# KiCad board panel.kicad_pcb (continued)
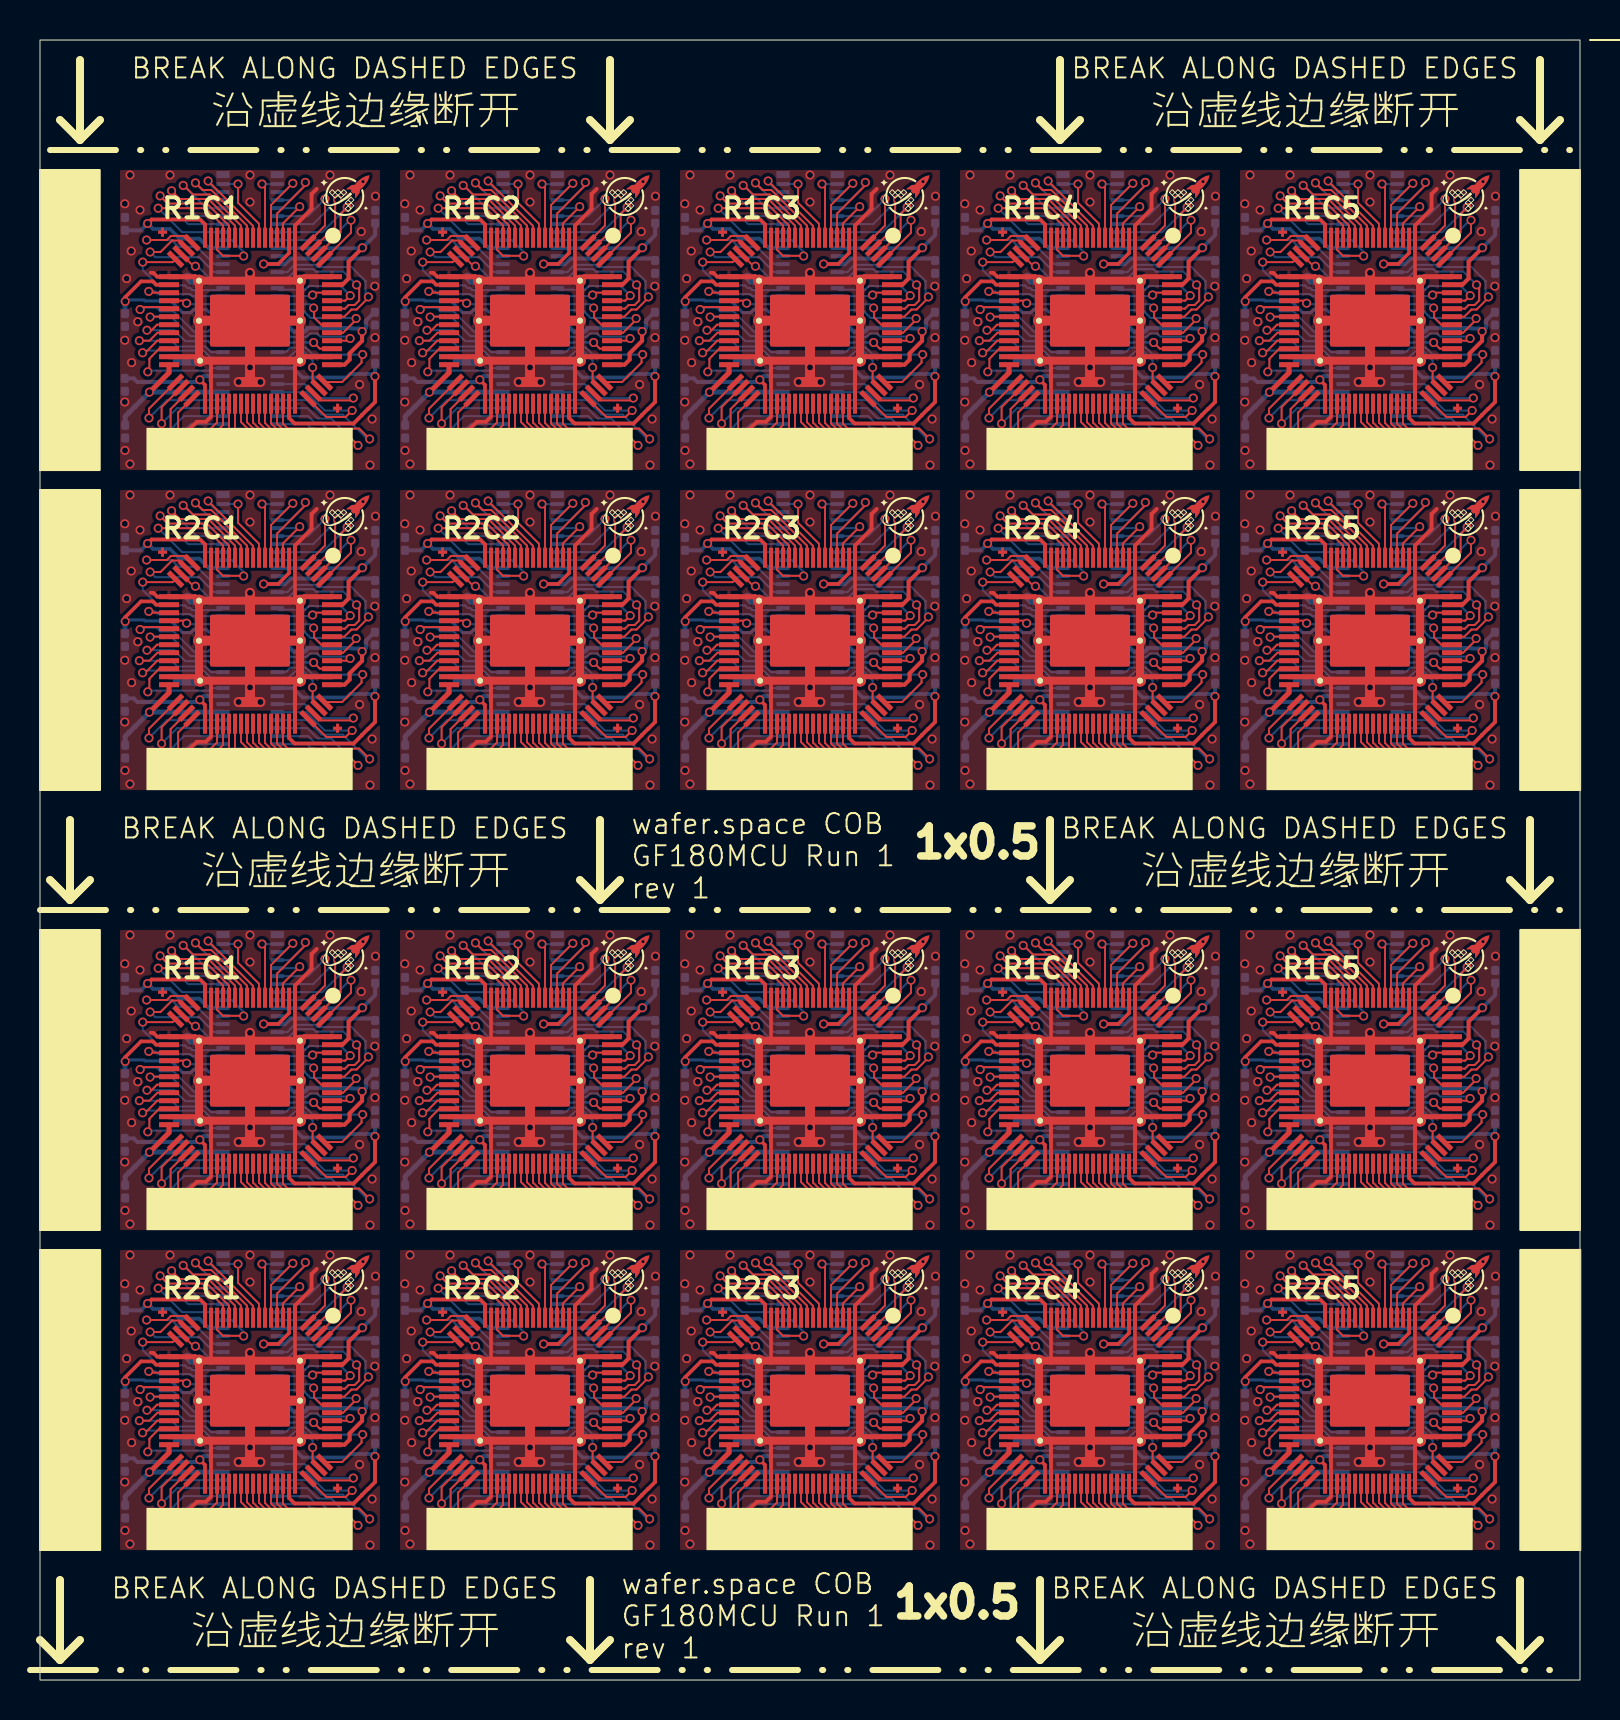
[diagram p0: board, top side]
## Routing (per net, layer and track width the routed paths; a pad name or vN(x,y) marks a point on that pad's centre or on a via; arc(x,y) is an arc through that point) (continued)
/bidir_21: length 100.3
  Top w0.1: v1(47.5,68.15) 47.59,68.15 47.61,68.16 U108#2.30 ; v1(5.5,68.15) 5.59,68.15 5.61,68.16 U102#2.30 ; U120.30 61.61,14.17 61.59,14.15 v1(61.5,14.15) ; v1(19.5,52.15) 19.59,52.15 19.61,52.17 U114.30 ; U106#2.30 33.61,30.17 33.59,30.15 v1(33.5,30.15) ; v1(5.5,52.15) 5.59,52.15 5.61,52.17 U112.30 ; U102.30 5.61,30.17 5.59,30.15 v1(5.5,30.15) ; v1(61.5,52.15) 61.59,52.15 61.61,52.17 U120#2.30 ; v1(33.5,68.15) 33.59,68.15 33.61,68.16 U106.30 ; v1(61.5,30.15) 61.59,30.15 61.61,30.17 U110#2.30 ; U116#2.30 33.61,14.17 33.59,14.15 v1(33.5,14.15) ; v1(47.5,52.15) 47.59,52.15 47.61,52.17 U118.30 ; U116.30 33.61,52.17 33.59,52.15 v1(33.5,52.15) ; U114#2.30 19.61,14.17 19.59,14.15 v1(19.5,14.15) ; v1(47.5,30.15) 47.59,30.15 47.61,30.17 U108.30 ; v1(19.5,68.15) 19.59,68.15 19.61,68.16 U104.30 ; U110.30 61.61,68.16 61.59,68.15 v1(61.5,68.15) ; U112#2.30 5.61,14.17 5.59,14.15 v1(5.5,14.15) ; U104#2.30 19.61,30.17 19.59,30.15 v1(19.5,30.15) ; U118#2.30 47.61,14.17 47.59,14.15 v1(47.5,14.15)
  Bottom w0.1: v1(33.5,68.15) 33.53,68.17 34.55,68.17 35.52,67.19 U105#2.51 ; U109.51 63.52,67.19 62.55,68.17 61.53,68.17 v1(61.5,68.15) ; v1(61.5,52.15) 61.53,52.17 62.55,52.17 63.52,51.2 U119#2.51 ; v1(33.5,14.15) 33.53,14.17 34.55,14.17 35.52,13.2 U115#2.51 ; U113#2.51 21.52,13.2 20.55,14.17 19.53,14.17 v1(19.5,14.15) ; v1(19.5,30.15) 19.53,30.17 20.55,30.17 21.52,29.2 U103#2.51 ; v1(47.5,68.15) 47.53,68.17 48.55,68.17 49.52,67.19 U107#2.51 ; U111#2.51 7.52,13.2 6.55,14.17 5.53,14.17 v1(5.5,14.15) ; U107.51 49.52,29.2 48.55,30.17 47.53,30.17 v1(47.5,30.15) ; v1(33.5,52.15) 33.53,52.17 34.55,52.17 35.52,51.2 U115.51 ; U109#2.51 63.52,29.2 62.55,30.17 61.53,30.17 v1(61.5,30.15) ; U101#2.51 7.52,67.19 6.55,68.17 5.53,68.17 v1(5.5,68.15) ; v1(19.5,68.15) 19.53,68.17 20.55,68.17 21.52,67.19 U103.51 ; v1(61.5,14.15) 61.53,14.17 62.55,14.17 63.52,13.2 U119.51 ; U117.51 49.52,13.2 48.55,14.17 47.53,14.17 v1(47.5,14.15) ; v1(19.5,52.15) 19.53,52.17 20.55,52.17 21.52,51.2 U113.51 ; v1(33.5,30.15) 33.53,30.17 34.55,30.17 35.52,29.2 U105.51 ; U101.51 7.52,29.2 6.55,30.17 5.53,30.17 v1(5.5,30.15) ; v1(5.5,52.15) 5.53,52.17 6.55,52.17 7.52,51.2 U111.51 ; v1(47.5,52.15) 47.53,52.17 48.55,52.17 49.52,51.2 U117#2.51
/bidir_22: length 106.1
  Top w0.1: U116#2.31 33.85,13.77 33.57,13.49 v1(33.35,13.49) ; U114#2.31 19.85,13.77 19.57,13.49 v1(19.35,13.49) ; U112#2.31 5.85,13.77 5.57,13.49 v1(5.35,13.49) ; U116.31 33.85,51.77 33.57,51.49 v1(33.35,51.49) ; U106#2.31 33.85,29.77 33.57,29.49 v1(33.35,29.49) ; v1(47.35,51.49) 47.57,51.49 47.85,51.77 U118.31 ; U120.31 61.85,13.77 61.57,13.49 v1(61.35,13.49) ; U110.31 61.85,67.77 61.57,67.49 v1(61.35,67.49) ; U104#2.31 19.85,29.77 19.57,29.49 v1(19.35,29.49) ; U102.31 5.85,29.77 5.57,29.49 v1(5.35,29.49) ; U110#2.31 61.85,29.77 61.57,29.49 v1(61.35,29.49) ; U106.31 33.85,67.77 33.57,67.49 v1(33.35,67.49) ; v1(47.35,13.49) 47.57,13.49 47.85,13.77 U118#2.31 ; v1(61.35,51.49) 61.57,51.49 61.85,51.77 U120#2.31 ; U114.31 19.85,51.77 19.57,51.49 v1(19.35,51.49) ; v1(19.35,67.49) 19.57,67.49 19.85,67.77 U104.31 ; U112.31 5.85,51.77 5.57,51.49 v1(5.35,51.49) ; U108.31 47.85,29.77 47.57,29.49 v1(47.35,29.49) ; v1(47.35,67.49) 47.57,67.49 47.85,67.77 U108#2.31 ; v1(5.35,67.49) 5.57,67.49 5.85,67.77 U102#2.31
  Bottom w0.1: v1(5.35,51.49) 6.71,51.49 7.26,50.94 8.41,50.94 8.54,50.81 9.14,50.81 U111.50 ; U119#2.50 65.14,50.81 64.54,50.81 64.41,50.94 63.26,50.94 62.71,51.49 v1(61.35,51.49) ; U105#2.50 37.14,66.81 36.54,66.81 36.41,66.94 35.26,66.94 34.71,67.49 v1(33.35,67.49) ; v1(19.35,29.49) 20.71,29.49 21.26,28.94 22.41,28.94 22.54,28.81 23.14,28.81 U103#2.50 ; U109.50 65.14,66.81 64.54,66.81 64.41,66.94 63.26,66.94 62.71,67.49 v1(61.35,67.49) ; v1(19.35,51.49) 20.71,51.49 21.26,50.94 22.41,50.94 22.54,50.81 23.14,50.81 U113.50 ; U115#2.50 37.14,12.81 36.54,12.81 36.41,12.94 35.26,12.94 34.71,13.49 v1(33.35,13.49) ; v1(5.35,67.49) 6.71,67.49 7.26,66.94 8.41,66.94 8.54,66.81 9.14,66.81 U101#2.50 ; v1(19.35,67.49) 20.71,67.49 21.26,66.94 22.41,66.94 22.54,66.81 23.14,66.81 U103.50 ; v1(47.35,13.49) 48.71,13.49 49.26,12.94 50.41,12.94 50.54,12.81 51.14,12.81 U117.50 ; v1(47.35,29.49) 48.71,29.49 49.26,28.94 50.41,28.94 50.54,28.81 51.14,28.81 U107.50 ; v1(47.35,51.49) 48.71,51.49 49.26,50.94 50.41,50.94 50.54,50.81 51.14,50.81 U117#2.50 ; U119.50 65.14,12.81 64.54,12.81 64.41,12.94 63.26,12.94 62.71,13.49 v1(61.35,13.49) ; U107#2.50 51.14,66.81 50.54,66.81 50.41,66.94 49.26,66.94 48.71,67.49 v1(47.35,67.49) ; U109#2.50 65.14,28.81 64.54,28.81 64.41,28.94 63.26,28.94 62.71,29.49 v1(61.35,29.49) ; v1(33.35,29.49) 34.71,29.49 35.26,28.94 36.41,28.94 36.54,28.81 37.14,28.81 U105.50 ; v1(5.35,13.49) 6.71,13.49 7.26,12.94 8.41,12.94 8.54,12.81 9.14,12.81 U111#2.50 ; U101.50 9.14,28.81 8.54,28.81 8.41,28.94 7.26,28.94 6.71,29.49 v1(5.35,29.49) ; U115.50 37.14,50.81 36.54,50.81 36.41,50.94 35.26,50.94 34.71,51.49 v1(33.35,51.49) ; v1(19.35,13.49) 20.71,13.49 21.26,12.94 22.41,12.94 22.54,12.81 23.14,12.81 U113#2.50
/bidir_23: length 121.6
  Top w0.1: 34.45,51.36 33.87,51.36 33.47,50.96 v1(32.97,50.96) ; v1(32.97,66.96) 33.47,66.96 33.87,67.36 34.45,67.36 ; v1(60.97,12.96) 61.47,12.96 61.87,13.36 62.45,13.36 ; 34.45,13.36 33.87,13.36 33.47,12.96 v1(32.97,12.96) ; v1(46.97,66.96) 47.47,66.96 47.87,67.36 48.45,67.36 ; 48.45,51.36 47.87,51.36 47.47,50.96 v1(46.97,50.96) ; 6.45,13.36 5.87,13.36 5.47,12.96 v1(4.97,12.96) ; 20.45,67.36 19.87,67.36 19.47,66.96 v1(18.97,66.96) ; 6.45,67.36 5.87,67.36 5.47,66.96 v1(4.97,66.96) ; 20.45,29.36 19.87,29.36 19.47,28.96 v1(18.97,28.96) ; 34.45,29.36 33.87,29.36 33.47,28.96 v1(32.97,28.96) ; 6.45,51.36 5.87,51.36 5.47,50.96 v1(4.97,50.96) ; v1(60.97,28.96) 61.47,28.96 61.87,29.36 62.45,29.36 ; v1(46.97,12.96) 47.47,12.96 47.87,13.36 48.45,13.36 ; v1(18.97,12.96) 19.47,12.96 19.87,13.36 20.45,13.36 ; v1(60.97,50.96) 61.47,50.96 61.87,51.36 62.45,51.36 ; 20.45,51.36 19.87,51.36 19.47,50.96 v1(18.97,50.96) ; v1(60.97,66.96) 61.47,66.96 61.87,67.36 62.45,67.36 ; v1(46.97,28.96) 47.47,28.96 47.87,29.36 48.45,29.36 ; 6.45,29.36 5.87,29.36 5.47,28.96 v1(4.97,28.96)
  Bottom w0.1: 65.16,12.39 64.67,12.39 64.66,12.39 64.56,12.39 64.28,12.67 62.87,12.67 62.58,12.96 v1(60.97,12.96) ; v1(4.97,12.96) 6.58,12.96 6.87,12.67 8.28,12.67 8.56,12.39 8.66,12.39 8.67,12.39 9.15,12.39 ; v1(46.97,50.96) 48.58,50.96 48.87,50.67 50.28,50.67 50.56,50.39 50.66,50.39 50.67,50.39 51.15,50.39 ; 23.15,28.39 22.67,28.39 22.66,28.39 22.56,28.39 22.28,28.67 20.87,28.67 20.58,28.96 v1(18.97,28.96) ; 23.15,50.39 22.67,50.39 22.66,50.39 22.56,50.39 22.28,50.67 20.87,50.67 20.58,50.96 v1(18.97,50.96) ; v1(46.97,66.96) 48.58,66.96 48.87,66.67 50.28,66.67 50.56,66.39 50.66,66.39 50.67,66.4 U107#2.49 ; v1(32.97,66.96) 34.58,66.96 34.87,66.67 36.28,66.67 36.56,66.39 36.66,66.39 36.67,66.4 U105#2.49 ; 65.16,50.39 64.67,50.39 64.66,50.39 64.56,50.39 64.28,50.67 62.87,50.67 62.58,50.96 v1(60.97,50.96) ; v1(4.97,50.96) 6.58,50.96 6.87,50.67 8.28,50.67 8.56,50.39 8.66,50.39 8.67,50.39 9.15,50.39 ; v1(32.97,50.96) 34.58,50.96 34.87,50.67 36.28,50.67 36.56,50.39 36.66,50.39 36.67,50.39 37.15,50.39 ; U109.49 64.67,66.4 64.66,66.39 64.56,66.39 64.28,66.67 62.87,66.67 62.58,66.96 v1(60.97,66.96) ; v1(4.97,66.96) 6.58,66.96 6.87,66.67 8.28,66.67 8.56,66.39 8.66,66.39 8.67,66.4 U101#2.49 ; 9.15,28.39 8.67,28.39 8.66,28.39 8.56,28.39 8.28,28.67 6.87,28.67 6.58,28.96 v1(4.97,28.96) ; 51.15,28.39 50.67,28.39 50.66,28.39 50.56,28.39 50.28,28.67 48.87,28.67 48.58,28.96 v1(46.97,28.96) ; 37.15,12.39 36.67,12.39 36.66,12.39 36.56,12.39 36.28,12.67 34.87,12.67 34.58,12.96 v1(32.97,12.96) ; v1(18.97,66.96) 20.58,66.96 20.87,66.67 22.28,66.67 22.56,66.39 22.66,66.39 22.67,66.4 U103.49 ; v1(46.97,12.96) 48.58,12.96 48.87,12.67 50.28,12.67 50.56,12.39 50.66,12.39 50.67,12.39 51.15,12.39 ; v1(32.97,28.96) 34.58,28.96 34.87,28.67 36.28,28.67 36.56,28.39 36.66,28.39 36.67,28.39 37.15,28.39 ; 23.15,12.39 22.67,12.39 22.66,12.39 22.56,12.39 22.28,12.67 20.87,12.67 20.58,12.96 v1(18.97,12.96) ; v1(60.97,28.96) 62.58,28.96 62.87,28.67 64.28,28.67 64.56,28.39 64.66,28.39 64.67,28.39 65.16,28.39
/bidir_24: length 116.8
  Top w0.1: U102#2.33 5.87,66.97 5.26,66.36 v1(5.13,66.36) ; U110.33 61.87,66.97 61.26,66.36 v1(61.13,66.36) ; v1(47.13,66.36) 47.26,66.36 47.87,66.97 U108#2.33 ; v1(61.13,12.36) 61.26,12.36 61.87,12.97 U120.33 ; U118.33 47.87,50.97 47.26,50.36 v1(47.13,50.36) ; U112.33 5.87,50.97 5.26,50.36 v1(5.13,50.36) ; U116.33 33.87,50.97 33.26,50.36 v1(33.13,50.36) ; v1(61.13,28.36) 61.26,28.36 61.87,28.97 U110#2.33 ; U106.33 33.87,66.97 33.26,66.36 v1(33.13,66.36) ; v1(5.13,28.36) 5.26,28.36 5.87,28.97 U102.33 ; U112#2.33 5.87,12.97 5.26,12.36 v1(5.13,12.36) ; v1(19.13,66.36) 19.26,66.36 19.87,66.97 U104.33 ; U114#2.33 19.87,12.97 19.26,12.36 v1(19.13,12.36) ; v1(33.13,28.36) 33.26,28.36 33.87,28.97 U106#2.33 ; v1(19.13,50.36) 19.26,50.36 19.87,50.97 U114.33 ; v1(61.13,50.36) 61.26,50.36 61.87,50.97 U120#2.33 ; U104#2.33 19.87,28.97 19.26,28.36 v1(19.13,28.36) ; v1(47.13,28.36) 47.26,28.36 47.87,28.97 U108.33 ; U118#2.33 47.87,12.97 47.26,12.36 v1(47.13,12.36) ; U116#2.33 33.87,12.97 33.26,12.36 v1(33.13,12.36)
  Bottom w0.1: v1(47.13,12.36) 47.24,12.47 50.18,12.47 50.65,12 U117.48 ; v1(5.13,28.36) 5.24,28.47 8.18,28.47 8.65,28 U101.48 ; U117#2.48 50.65,50 50.18,50.47 47.24,50.47 v1(47.13,50.36) ; v1(19.13,66.36) 19.24,66.47 22.18,66.47 22.65,66 U103.48 ; U109#2.48 64.66,28 64.18,28.47 61.24,28.47 v1(61.13,28.36) ; U113#2.48 22.65,12 22.18,12.47 19.24,12.47 v1(19.13,12.36) ; v1(5.13,50.36) 5.24,50.47 8.18,50.47 8.65,50 U111.48 ; U107.48 50.65,28 50.18,28.47 47.24,28.47 v1(47.13,28.36) ; U115.48 36.65,50 36.18,50.47 33.24,50.47 v1(33.13,50.36) ; v1(5.13,12.36) 5.24,12.47 8.18,12.47 8.65,12 U111#2.48 ; v1(33.13,66.36) 33.24,66.47 36.18,66.47 36.65,66 U105#2.48 ; U105.48 36.65,28 36.18,28.47 33.24,28.47 v1(33.13,28.36) ; v1(5.13,66.36) 5.24,66.47 8.18,66.47 8.65,66 U101#2.48 ; U113.48 22.65,50 22.18,50.47 19.24,50.47 v1(19.13,50.36) ; U119.48 64.66,12 64.18,12.47 61.24,12.47 v1(61.13,12.36) ; U115#2.48 36.65,12 36.18,12.47 33.24,12.47 v1(33.13,12.36) ; v1(47.13,66.36) 47.24,66.47 50.18,66.47 50.65,66 U107#2.48 ; U103#2.48 22.65,28 22.18,28.47 19.24,28.47 v1(19.13,28.36) ; U109.48 64.66,66 64.18,66.47 61.24,66.47 v1(61.13,66.36) ; U119#2.48 64.66,50 64.18,50.47 61.24,50.47 v1(61.13,50.36)
/bidir_25: length 114.4
  Top w0.1: U102#2.34 5.96,66.56 5.61,66.21 5.61,66.2 5.47,66.06 5.47,65.49 v1(5.39,65.41) ; U110#2.34 61.96,28.56 61.61,28.21 61.61,28.2 61.47,28.06 61.47,27.49 v1(61.39,27.41) ; U102.34 5.96,28.56 5.61,28.21 5.61,28.2 5.47,28.06 5.47,27.49 v1(5.39,27.41) ; U112#2.34 5.96,12.56 5.61,12.21 5.61,12.2 5.47,12.06 5.47,11.49 v1(5.39,11.41) ; U108.34 47.96,28.56 47.61,28.21 47.61,28.2 47.47,28.06 47.47,27.49 v1(47.39,27.41) ; v1(47.39,65.41) 47.47,65.49 47.47,66.06 47.61,66.2 47.61,66.21 47.96,66.56 U108#2.34 ; v1(19.39,65.41) 19.47,65.49 19.47,66.06 19.61,66.2 19.61,66.21 19.96,66.56 U104.34 ; U116.34 33.96,50.56 33.61,50.21 33.61,50.2 33.47,50.06 33.47,49.49 v1(33.39,49.41) ; U118#2.34 47.96,12.56 47.61,12.21 47.61,12.2 47.47,12.06 47.47,11.49 v1(47.39,11.41) ; U110.34 61.96,66.56 61.61,66.21 61.61,66.2 61.47,66.06 61.47,65.49 v1(61.39,65.41) ; v1(19.39,27.41) 19.47,27.49 19.47,28.06 19.61,28.2 19.61,28.21 19.96,28.56 U104#2.34 ; v1(33.39,65.41) 33.47,65.49 33.47,66.06 33.61,66.2 33.61,66.21 33.96,66.56 U106.34 ; U116#2.34 33.96,12.56 33.61,12.21 33.61,12.2 33.47,12.06 33.47,11.49 v1(33.39,11.41) ; v1(61.39,49.41) 61.47,49.49 61.47,50.06 61.61,50.2 61.61,50.21 61.96,50.56 U120#2.34 ; v1(19.39,49.41) 19.47,49.49 19.47,50.06 19.61,50.2 19.61,50.21 19.96,50.56 U114.34 ; v1(33.39,27.41) 33.47,27.49 33.47,28.06 33.61,28.2 33.61,28.21 33.96,28.56 U106#2.34 ; U120.34 61.96,12.56 61.61,12.21 61.61,12.2 61.47,12.06 61.47,11.49 v1(61.39,11.41) ; v1(5.39,49.41) 5.47,49.49 5.47,50.06 5.61,50.2 5.61,50.21 5.96,50.56 U112.34 ; U114#2.34 19.96,12.56 19.61,12.21 19.61,12.2 19.47,12.06 19.47,11.49 v1(19.39,11.41) ; U118.34 47.96,50.56 47.61,50.21 47.61,50.2 47.47,50.06 47.47,49.49 v1(47.39,49.41)
  Bottom w0.1: U101#2.47 9.15,65.59 8.57,65.59 8.45,65.47 5.45,65.47 v1(5.39,65.41) ; U101.47 9.15,27.59 8.57,27.59 8.45,27.47 5.45,27.47 v1(5.39,27.41) ; U109#2.47 65.15,27.59 64.57,27.59 64.45,27.47 61.45,27.47 v1(61.39,27.41) ; v1(33.39,11.41) 33.45,11.47 36.45,11.47 36.57,11.59 37.15,11.59 U115#2.47 ; v1(47.39,65.41) 47.45,65.47 50.45,65.47 50.57,65.59 51.15,65.59 U107#2.47 ; v1(19.39,49.41) 19.45,49.47 22.45,49.47 22.57,49.59 23.15,49.59 U113.47 ; U119.47 65.15,11.59 64.57,11.59 64.45,11.47 61.45,11.47 v1(61.39,11.41) ; U119#2.47 65.15,49.59 64.57,49.59 64.45,49.47 61.45,49.47 v1(61.39,49.41) ; v1(47.39,49.41) 47.45,49.47 50.45,49.47 50.57,49.59 51.15,49.59 U117#2.47 ; v1(19.39,11.41) 19.45,11.47 22.45,11.47 22.57,11.59 23.15,11.59 U113#2.47 ; U111.47 9.15,49.59 8.57,49.59 8.45,49.47 5.45,49.47 v1(5.39,49.41) ; U103#2.47 23.15,27.59 22.57,27.59 22.45,27.47 19.45,27.47 v1(19.39,27.41) ; v1(5.39,11.41) 5.45,11.47 8.45,11.47 8.57,11.59 9.15,11.59 U111#2.47 ; U107.47 51.15,27.59 50.57,27.59 50.45,27.47 47.45,27.47 v1(47.39,27.41) ; v1(61.39,65.41) 61.45,65.47 64.45,65.47 64.57,65.59 65.15,65.59 U109.47 ; U115.47 37.15,49.59 36.57,49.59 36.45,49.47 33.45,49.47 v1(33.39,49.41) ; v1(47.39,11.41) 47.45,11.47 50.45,11.47 50.57,11.59 51.15,11.59 U117.47 ; U105#2.47 37.15,65.59 36.57,65.59 36.45,65.47 33.45,65.47 v1(33.39,65.41) ; v1(19.39,65.41) 19.45,65.47 22.45,65.47 22.57,65.59 23.15,65.59 U103.47 ; U105.47 37.15,27.59 36.57,27.59 36.45,27.47 33.45,27.47 v1(33.39,27.41)
/bidir_26: length 128.3
  Top w0.1: v1(47.45,25.1) 47.45,25.56 U108.37 ; U102#2.37 5.45,63.56 v1(5.45,63.1) ; v1(19.45,47.1) 19.45,47.56 U114.37 ; U104.37 19.45,63.56 v1(19.45,63.1) ; v1(61.45,25.1) 61.45,25.56 U110#2.37 ; U106.37 33.45,63.56 v1(33.45,63.1) ; v1(61.45,63.1) 61.45,63.56 U110.37 ; U106#2.37 33.45,25.56 v1(33.45,25.1) ; v1(61.45,47.1) 61.45,47.56 U120#2.37 ; U102.37 5.45,25.56 v1(5.45,25.1) ; U118#2.37 47.45,9.56 v1(47.45,9.1) ; U112.37 5.45,47.56 v1(5.45,47.1) ; v1(33.45,47.1) 33.45,47.56 U116.37 ; v1(5.45,9.1) 5.45,9.56 U112#2.37 ; v1(33.45,9.1) 33.45,9.56 U116#2.37 ; v1(19.45,9.1) 19.45,9.56 U114#2.37 ; U108#2.37 47.45,63.56 v1(47.45,63.1) ; v1(19.45,25.1) 19.45,25.56 U104#2.37 ; v1(61.45,9.1) 61.45,9.56 U120.37 ; U118.37 47.45,47.56 v1(47.45,47.1)
  Bottom w0.1: U119.43 62.35,10 v1(61.45,9.1) ; v1(5.45,25.1) 6.35,26 U101.43 ; U105#2.43 34.35,63.99 v1(33.45,63.1) ; v1(47.45,47.1) 48.35,48 U117#2.43 ; v1(47.45,63.1) 48.35,63.99 U107#2.43 ; v1(33.45,25.1) 34.35,26 U105.43 ; v1(19.45,25.1) 20.35,26 U103#2.43 ; U115.43 34.35,48 v1(33.45,47.1) ; v1(19.45,63.1) 20.35,63.99 U103.43 ; v1(5.45,47.1) 6.35,48 U111.43 ; U109#2.43 62.35,26 v1(61.45,25.1) ; v1(47.45,25.1) 48.35,26 U107.43 ; U101#2.43 6.35,63.99 v1(5.45,63.1) ; v1(19.45,9.1) 20.35,10 U113#2.43 ; U117.43 48.35,10 v1(47.45,9.1) ; U111#2.43 6.35,10 v1(5.45,9.1) ; v1(61.45,63.1) 62.35,63.99 U109.43 ; v1(19.45,47.1) 20.35,48 U113.43 ; v1(61.45,47.1) 62.35,48 U119#2.43 ; U115#2.43 34.35,10 v1(33.45,9.1)
/bidir_27: length 111.9
  Top w0.1: 63.05,48.61 62.08,47.64 v1(62.08,46.82) ; 63.05,10.61 62.08,9.64 v1(62.08,8.82) ; v1(6.08,24.82) 6.08,25.64 7.05,26.61 ; v1(34.08,24.82) 34.08,25.64 35.05,26.61 ; v1(6.08,62.82) 6.08,63.65 U102#2.38 ; v1(20.08,8.82) 20.08,9.64 21.05,10.61 ; 63.05,26.61 62.08,25.64 v1(62.08,24.82) ; U106.38 34.08,63.65 v1(34.08,62.82) ; v1(48.08,24.82) 48.08,25.64 49.05,26.61 ; v1(6.08,8.82) 6.08,9.64 7.05,10.61 ; 49.05,48.61 48.08,47.64 v1(48.08,46.82) ; 21.05,26.61 20.08,25.64 v1(20.08,24.82) ; 7.05,48.61 6.08,47.64 v1(6.08,46.82) ; v1(34.08,8.82) 34.08,9.64 35.05,10.61 ; v1(48.08,8.82) 48.08,9.64 49.05,10.61 ; v1(20.08,62.82) 20.08,63.65 U104.38 ; v1(20.08,46.82) 20.08,47.64 21.05,48.61 ; v1(48.08,62.82) 48.08,63.65 U108#2.38 ; v1(62.08,62.82) 62.08,63.65 U110.38 ; v1(34.08,46.82) 34.08,47.64 35.05,48.61
  Bottom w0.1: U103#2.42 20.86,25.59 v1(20.08,24.82) ; v1(48.08,8.82) 48.86,9.59 U117.42 ; U105.42 34.86,25.59 v1(34.08,24.82) ; U107#2.42 48.86,63.59 v1(48.08,62.82) ; v1(34.08,8.82) 34.86,9.59 U115#2.42 ; U115.42 34.86,47.59 v1(34.08,46.82) ; U109#2.42 62.86,25.59 v1(62.08,24.82) ; U117#2.42 48.86,47.59 v1(48.08,46.82) ; v1(6.08,8.82) 6.86,9.59 U111#2.42 ; v1(20.08,8.82) 20.86,9.59 U113#2.42 ; U109.42 62.86,63.59 v1(62.08,62.82) ; v1(62.08,46.82) 62.86,47.59 U119#2.42 ; v1(6.08,24.82) 6.86,25.59 U101.42 ; v1(34.08,62.82) 34.86,63.59 U105#2.42 ; U111.42 6.86,47.59 v1(6.08,46.82) ; v1(20.08,62.82) 20.86,63.59 U103.42 ; v1(62.08,8.82) 62.86,9.59 U119.42 ; U107.42 48.86,25.59 v1(48.08,24.82) ; v1(20.08,46.82) 20.86,47.59 U113.42 ; v1(6.08,62.82) 6.86,63.59 U101#2.42
/bidir_28: length 120.8
  Top w0.1: U108#2.39 48.53,63.55 48.53,62.53 48.28,62.28 v1(48.28,62.13) ; U108.39 48.53,25.55 48.53,24.53 48.28,24.28 v1(48.28,24.13) ; v1(34.28,46.13) 34.28,46.28 34.53,46.53 34.53,47.55 U116.39 ; v1(6.28,24.13) 6.28,24.28 6.53,24.53 6.53,25.55 U102.39 ; v1(6.28,8.13) 6.28,8.28 6.53,8.53 6.53,9.55 U112#2.39 ; U114#2.39 20.53,9.55 20.53,8.53 20.28,8.28 v1(20.28,8.13) ; U116#2.39 34.53,9.55 34.53,8.53 34.28,8.28 v1(34.28,8.13) ; U112.39 6.53,47.55 6.53,46.53 6.28,46.28 v1(6.28,46.13) ; U110.39 62.53,63.55 62.53,62.53 62.28,62.28 v1(62.28,62.13) ; v1(20.28,46.13) 20.28,46.28 20.53,46.53 20.53,47.55 U114.39 ; U120.39 62.53,9.55 62.53,8.53 62.28,8.28 v1(62.28,8.13) ; v1(34.28,62.13) 34.28,62.28 34.53,62.53 34.53,63.55 U106.39 ; U104.39 20.53,63.55 20.53,62.53 20.28,62.28 v1(20.28,62.13) ; v1(62.28,46.13) 62.28,46.28 62.53,46.53 62.53,47.55 U120#2.39 ; U106#2.39 34.53,25.55 34.53,24.53 34.28,24.28 v1(34.28,24.13) ; U110#2.39 62.53,25.55 62.53,24.53 62.28,24.28 v1(62.28,24.13) ; U102#2.39 6.53,63.55 6.53,62.53 6.28,62.28 v1(6.28,62.13) ; U118#2.39 48.53,9.55 48.53,8.53 48.28,8.28 v1(48.28,8.13) ; U118.39 48.53,47.55 48.53,46.53 48.28,46.28 v1(48.28,46.13) ; U104#2.39 20.53,25.55 20.53,24.53 20.28,24.28 v1(20.28,24.13)
  Bottom w0.1: v1(6.28,62.13) 6.28,62.28 7.19,63.2 U101#2.41 ; U103#2.41 21.19,25.2 20.28,24.28 v1(20.28,24.13) ; U109#2.41 63.19,25.2 62.28,24.28 v1(62.28,24.13) ; v1(48.28,24.13) 48.28,24.28 49.19,25.2 U107.41 ; v1(48.28,62.13) 48.28,62.28 49.19,63.2 U107#2.41 ; v1(62.28,62.13) 62.28,62.28 63.19,63.2 U109.41 ; U105.41 35.19,25.2 34.28,24.28 v1(34.28,24.13) ; U103.41 21.19,63.2 20.28,62.28 v1(20.28,62.13) ; v1(34.28,46.13) 34.28,46.28 35.19,47.2 U115.41 ; U117.41 49.19,9.2 48.28,8.28 v1(48.28,8.13) ; v1(62.28,8.13) 62.28,8.28 63.19,9.2 U119.41 ; U113#2.41 21.19,9.2 20.28,8.28 v1(20.28,8.13) ; U119#2.41 63.19,47.2 62.28,46.28 v1(62.28,46.13) ; v1(48.28,46.13) 48.28,46.28 49.19,47.2 U117#2.41 ; v1(6.28,46.13) 6.28,46.28 7.19,47.2 U111.41 ; v1(34.28,62.13) 34.28,62.28 35.19,63.2 U105#2.41 ; v1(20.28,46.13) 20.28,46.28 21.19,47.2 U113.41 ; v1(6.28,8.13) 6.28,8.28 7.19,9.2 U111#2.41 ; U115#2.41 35.19,9.2 34.28,8.28 v1(34.28,8.13) ; v1(6.28,24.13) 6.28,24.28 7.19,25.2 U101.41
/bidir_29: length 94.4
  Top w0.1: v1(48.9,62.15) 48.9,63.38 49.6,64.06 U108#2.40 ; v1(6.9,62.15) 6.9,63.38 7.6,64.06 U102#2.40 ; v1(62.9,46.15) 62.9,47.38 63.6,48.06 U120#2.40 ; v1(62.9,8.15) 62.9,9.38 63.6,10.06 U120.40 ; v1(20.9,24.15) 20.9,25.38 21.6,26.06 U104#2.40 ; U114#2.40 21.6,10.06 20.9,9.38 v1(20.9,8.15) ; v1(34.9,24.15) 34.9,25.38 35.6,26.06 U106#2.40 ; v1(62.9,62.15) 62.9,63.38 63.6,64.06 U110.40 ; U112#2.40 7.6,10.06 6.9,9.38 v1(6.9,8.15) ; v1(48.9,46.15) 48.9,47.38 49.6,48.06 U118.40 ; v1(34.9,46.15) 34.9,47.38 35.6,48.06 U116.40 ; v1(48.9,24.15) 48.9,25.38 49.6,26.06 U108.40 ; v1(20.9,62.15) 20.9,63.38 21.6,64.06 U104.40 ; U106.40 35.6,64.06 34.9,63.38 v1(34.9,62.15) ; U110#2.40 63.6,26.06 62.9,25.38 v1(62.9,24.15) ; v1(34.9,8.15) 34.9,9.38 35.6,10.06 U116#2.40 ; U102.40 7.6,26.06 6.9,25.38 v1(6.9,24.15) ; U118#2.40 49.6,10.06 48.9,9.38 v1(48.9,8.15) ; v1(20.9,46.15) 20.9,47.38 21.6,48.06 U114.40 ; U112.40 7.6,48.06 6.9,47.38 v1(6.9,46.15)
  Bottom w0.1: U103#2.40 21.55,24.8 v1(20.9,24.15) ; U101.40 7.55,24.8 v1(6.9,24.15) ; v1(6.9,8.15) 7.55,8.8 U111#2.40 ; U117#2.40 49.55,46.8 v1(48.9,46.15) ; U111.40 7.55,46.8 v1(6.9,46.15) ; U107#2.40 49.55,62.8 v1(48.9,62.15) ; v1(34.9,46.15) 35.55,46.8 U115.40 ; v1(6.9,62.15) 7.55,62.8 U101#2.40 ; v1(34.9,8.15) 35.55,8.8 U115#2.40 ; v1(20.9,62.15) 21.55,62.8 U103.40 ; v1(48.9,24.15) 49.55,24.8 U107.40 ; U105#2.40 35.55,62.8 v1(34.9,62.15) ; U113#2.40 21.55,8.8 v1(20.9,8.15) ; v1(62.9,24.15) 63.55,24.8 U109#2.40 ; v1(62.9,62.15) 63.55,62.8 U109.40 ; U119#2.40 63.55,46.8 v1(62.9,46.15) ; U117.40 49.55,8.8 v1(48.9,8.15) ; v1(34.9,24.15) 35.55,24.8 U105.40 ; v1(20.9,46.15) 21.55,46.8 U113.40 ; U119.40 63.55,8.8 v1(62.9,8.15)
/bidir_30: length 66.9
  Top w0.1: v1(21.95,24.31) 22.28,24.31 22.85,24.88 U104#2.43 ; v1(7.95,24.31) 8.28,24.31 8.85,24.88 U102.43 ; v1(49.95,8.31) 50.28,8.31 50.85,8.88 U118#2.43 ; U112#2.43 8.85,8.88 8.28,8.31 v1(7.95,8.31) ; U114.43 22.85,46.88 22.28,46.31 v1(21.95,46.31) ; v1(63.95,46.31) 64.28,46.31 64.85,46.88 U120#2.43 ; U112.43 8.85,46.88 8.28,46.31 v1(7.95,46.31) ; U110#2.43 64.85,24.88 64.28,24.31 v1(63.95,24.31) ; U116.43 36.85,46.88 36.28,46.31 v1(35.95,46.31) ; v1(21.95,62.31) 22.28,62.31 22.85,62.88 22.85,63.81 ; U116#2.43 36.85,8.88 36.28,8.31 v1(35.95,8.31) ; U114#2.43 22.85,8.88 22.28,8.31 v1(21.95,8.31) ; v1(63.95,8.31) 64.28,8.31 64.85,8.88 U120.43 ; U108.43 50.85,24.88 50.28,24.31 v1(49.95,24.31) ; v1(7.95,62.31) 8.28,62.31 8.85,62.88 8.85,63.81 ; 50.85,63.81 50.85,62.88 50.28,62.31 v1(49.95,62.31) ; v1(49.95,46.31) 50.28,46.31 50.85,46.88 U118.43 ; v1(35.95,62.31) 36.28,62.31 36.85,62.88 36.85,63.81 ; v1(63.95,62.31) 64.28,62.31 64.85,62.88 64.85,63.81 ; v1(35.95,24.31) 36.28,24.31 36.85,24.88 U106#2.43
  Bottom w0.1: 9.15,46.39 7.98,46.39 7.95,46.37 v1(7.95,46.31) ; v1(63.95,46.31) 63.95,46.37 63.98,46.39 65.16,46.39 ; v1(35.95,8.31) 35.95,8.37 35.98,8.39 37.15,8.39 ; v1(7.95,62.31) 7.95,62.37 7.98,62.4 U101#2.39 ; v1(35.95,24.31) 35.95,24.37 35.98,24.39 37.15,24.39 ; v1(21.95,24.31) 21.95,24.37 21.98,24.39 23.15,24.39 ; v1(63.95,8.31) 63.95,8.37 63.98,8.39 65.16,8.39 ; 9.15,24.39 7.98,24.39 7.95,24.37 v1(7.95,24.31) ; 51.15,46.39 49.98,46.39 49.95,46.37 v1(49.95,46.31) ; 9.15,8.39 7.98,8.39 7.95,8.37 v1(7.95,8.31) ; v1(49.95,8.31) 49.95,8.37 49.98,8.39 51.15,8.39 ; U105#2.39 35.98,62.4 35.95,62.37 v1(35.95,62.31) ; 65.16,24.39 63.98,24.39 63.95,24.37 v1(63.95,24.31) ; v1(21.95,46.31) 21.95,46.37 21.98,46.39 23.15,46.39 ; 51.15,24.39 49.98,24.39 49.95,24.37 v1(49.95,24.31) ; U109.39 63.98,62.4 63.95,62.37 v1(63.95,62.31) ; v1(49.95,62.31) 49.95,62.37 49.98,62.4 U107#2.39 ; 23.15,8.39 21.98,8.39 21.95,8.37 v1(21.95,8.31) ; v1(35.95,46.31) 35.95,46.37 35.98,46.39 37.15,46.39 ; v1(21.95,62.31) 21.95,62.37 21.98,62.4 U103.39
/bidir_31: length 95.2
  Top w0.1: v1(35.74,7.33) 37.15,8.75 U116#2.44 ; U108.44 51.15,24.75 v1(49.74,23.33) ; U112.44 9.15,46.75 v1(7.74,45.33) ; U110#2.44 65.15,24.75 v1(63.74,23.33) ; U112#2.44 9.15,8.75 v1(7.74,7.33) ; v1(21.74,23.33) 23.15,24.75 U104#2.44 ; v1(35.74,23.33) 37.15,24.75 U106#2.44 ; v1(63.74,7.33) 65.15,8.75 U120.44 ; v1(21.74,61.33) 23.15,62.75 U104.44 ; U118.44 51.15,46.75 v1(49.74,45.33) ; v1(7.74,61.33) 9.15,62.75 U102#2.44 ; v1(7.74,23.33) 9.15,24.75 U102.44 ; U114#2.44 23.15,8.75 v1(21.74,7.33) ; v1(35.74,45.33) 37.15,46.75 U116.44 ; U120#2.44 65.15,46.75 v1(63.74,45.33) ; v1(35.74,61.33) 37.15,62.75 U106.44 ; U108#2.44 51.15,62.75 v1(49.74,61.33) ; v1(63.74,61.33) 65.15,62.75 U110.44 ; v1(49.74,7.33) 51.15,8.75 U118#2.44 ; v1(21.74,45.33) 23.15,46.75 U114.44
  Bottom w0.1: U105.38 36.4,24 v1(35.74,23.33) ; v1(7.74,23.33) 8.4,24 U101.38 ; v1(63.74,45.33) 64.4,46 U119#2.38 ; U103#2.38 22.4,24 v1(21.74,23.33) ; v1(63.74,23.33) 64.4,24 U109#2.38 ; v1(21.74,45.33) 22.4,46 U113.38 ; v1(7.74,61.33) 8.4,62 9.15,62 ; U111.38 8.4,46 v1(7.74,45.33) ; v1(49.74,61.33) 50.4,62 51.15,62 ; v1(63.74,61.33) 64.4,62 65.16,62 ; U119.38 64.4,8 v1(63.74,7.33) ; v1(49.74,45.33) 50.4,46 U117#2.38 ; v1(7.74,7.33) 8.4,8 U111#2.38 ; v1(35.74,61.33) 36.4,62 37.15,62 ; v1(21.74,61.33) 22.4,62 23.15,62 ; U107.38 50.4,24 v1(49.74,23.33) ; v1(49.74,7.33) 50.4,8 U117.38 ; U115#2.38 36.4,8 v1(35.74,7.33) ; U113#2.38 22.4,8 v1(21.74,7.33) ; v1(35.74,45.33) 36.4,46 U115.38
